# Altium PCB 红外板PCB.PcbDoc
Units mm, origin at the board's own origin, x right, y up, seen from the top; angles counter-clockwise.
Board outline 158.88 x 68.96 mm, 2 copper layers (Top Layer, Bottom Layer); 70 components, 43 nets, 182 pads, 22 vias.
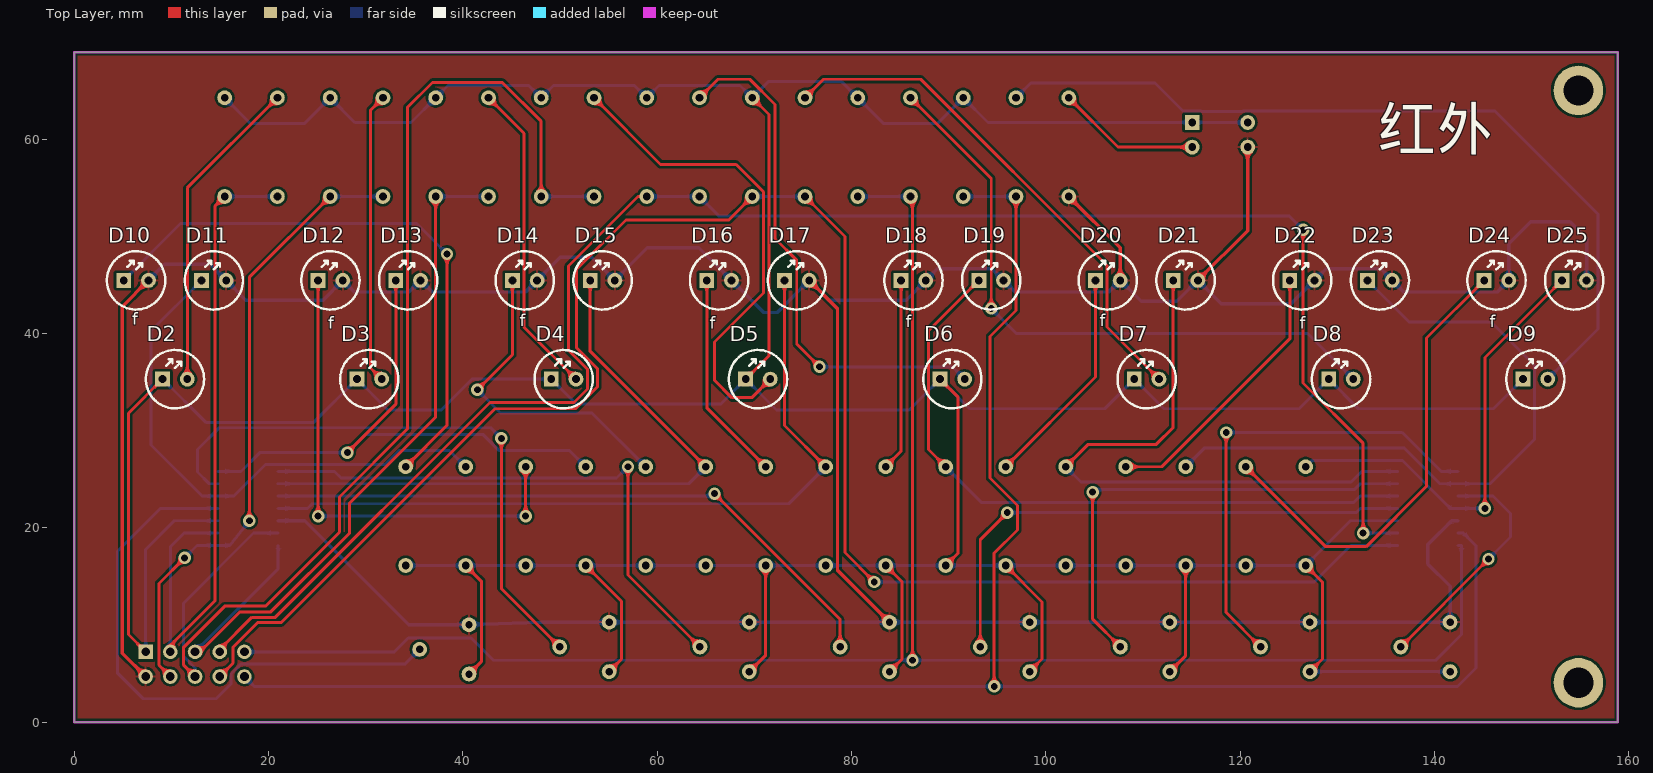
[diagram p0: Top Layer view]
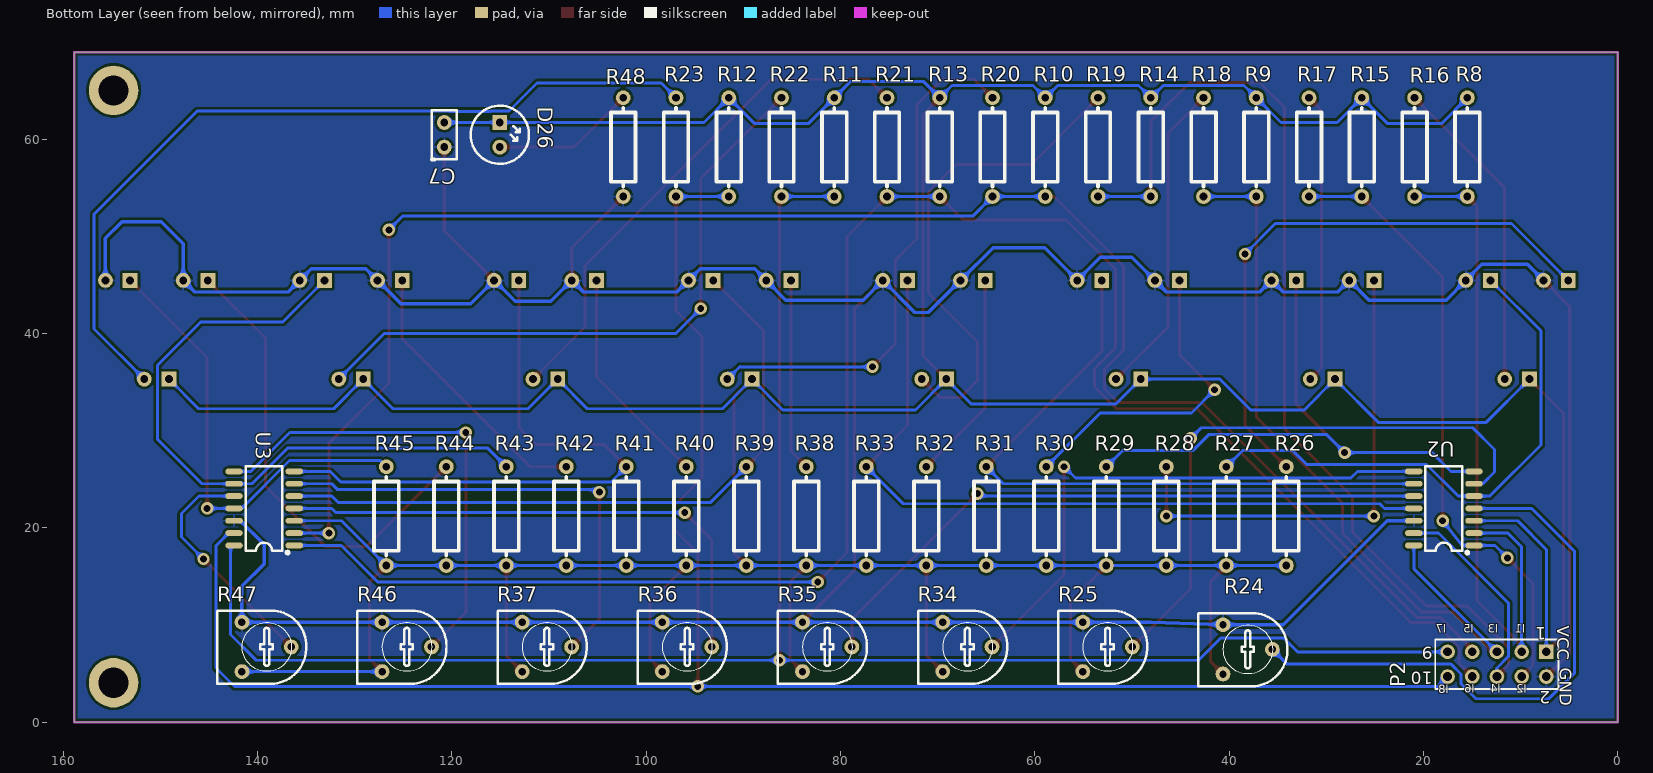
[diagram p1: Bottom Layer view, seen from below]

## Layer stack, top to bottom
Top Solder: solder mask 0.0102, Solder Resist, Dk 3.5
Top Layer: signal copper 0.0356
Dielectric 1: dielectric 0.32, FR-4, Dk 4.8
Bottom Layer: signal copper 0.0356
Bottom Solder: solder mask 0.0102, Solder Resist, Dk 3.5

## Board outline
0,0 158.877,0 158.877,68.961 0,68.961

## Design rules (kind name [scope] priority, off if disabled: settings)
Clearance [All] p1: gap=0.254 ignorepadtopadclearanceinfootprint=FALSE except(0: Arc-Hole Track-Hole SMDPad-Hole THPad-Hole Via-Hole Fill-Hole Poly-Hole Region-Hole Text-Hole)
PolygonConnect [All] p1: connectstyle=Relief reliefconductorwidth=0.254 reliefentries=4 polygonreliefangle="90 Angle" airgapwidth=0.254
RoutingVias [All] p1: holewidth=0.711 width=1.27 viastyle="Through Hole" minholewidth=0.711 minwidth=1.27 maxholewidth=0.711 maxwidth=1.27
SolderMaskExpansion [All] p1: expansion=0.102
Width Width_2 [InNet('GND')] p1: maxlimit=0.508 minlimit=0.356 preferedwidth=0.356 minimp=50.000000 maximp=50.000000 favimp=50.000000
Width Width_1 [All] p2: maxlimit=0.508 minlimit=0.305 preferedwidth=0.305 minimp=50.000000 maximp=50.000000 favimp=50.000000
Width [InNet('VCC')] p3: maxlimit=0.508 minlimit=0.356 preferedwidth=0.356 minimp=50.000000 maximp=50.000000 favimp=50.000000
30 further rules are at their usual default settings.

## Components (designator, comment, footprint, x,y, rotation, side; value= is the part's Value field where it differs from the comment)
C7 "CAP" RAD-0.1 120.777,61.722 r270 bottom
D2 "LED4" LED1 9.111,35.306 r0 top
D3 "LED4" LED1 29.111,35.306 r0 top
D4 "LED4" LED1 49.111,35.306 r0 top
D5 "LED4" LED1 69.111,35.306 r0 top
D6 "LED4" LED1 89.111,35.306 r0 top
D7 "LED4" LED1 109.111,35.306 r0 top
D8 "LED4" LED1 129.111,35.306 r0 top
D9 "LED4" LED1 149.111,35.306 r0 top
D10 "LED4" LED1 5.111,45.466 r0 top
D11 "LED4" LED1 13.111,45.466 r0 top
D12 "LED4" LED1 25.111,45.466 r0 top
D13 "LED4" LED1 33.111,45.466 r0 top
D14 "LED4" LED1 45.111,45.466 r0 top
D15 "LED4" LED1 53.111,45.466 r0 top
D16 "LED4" LED1 65.111,45.466 r0 top
D17 "LED4" LED1 73.111,45.466 r0 top
D18 "LED4" LED1 85.111,45.466 r0 top
D19 "LED4" LED1 93.111,45.466 r0 top
D20 "LED4" LED1 105.111,45.466 r0 top
D21 "LED4" LED1 113.111,45.466 r0 top
D22 "LED4" LED1 125.111,45.466 r0 top
D23 "LED4" LED1 133.111,45.466 r0 top
D24 "LED4" LED1 145.111,45.466 r0 top
D25 "LED4" LED1 153.111,45.466 r0 top
D26 "LED4" LED1 115.062,61.722 r270 bottom
P2 "Header 5X2" HDR2X5 7.366,7.239 r0 bottom
R8 "Res1" AXIAL-0.4 15.494,54.102 r90 bottom value=10k
R9 "Res1" AXIAL-0.4 37.211,54.102 r90 bottom value=10k
R10 "Res1" AXIAL-0.4 58.928,54.102 r90 bottom value=10k
R11 "Res1" AXIAL-0.4 80.645,54.102 r90 bottom value=10k
R12 "Res1" AXIAL-0.4 91.503,54.102 r90 bottom value=10k
R13 "Res1" AXIAL-0.4 69.786,54.102 r90 bottom value=10k
R14 "Res1" AXIAL-0.4 48.069,54.102 r90 bottom value=10k
R15 "Res1" AXIAL-0.4 26.352,54.102 r90 bottom value=10k
R16 "Res1" AXIAL-0.4 20.923,54.102 r90 bottom
R17 "Res1" AXIAL-0.4 31.782,54.102 r90 bottom value=1k
R18 "Res1" AXIAL-0.4 42.64,54.102 r90 bottom value=1k
R19 "Res1" AXIAL-0.4 53.499,54.102 r90 bottom value=1k
R20 "Res1" AXIAL-0.4 64.357,54.102 r90 bottom value=1k
R21 "Res1" AXIAL-0.4 75.216,54.102 r90 bottom value=1k
R22 "Res1" AXIAL-0.4 86.074,54.102 r90 bottom value=1k
R23 "Res1" AXIAL-0.4 96.933,54.102 r90 bottom value=1k
R24 "RP2" "POT SMALL" 35.56,7.493 r180 bottom
R25 "RP2" "POT SMALL" 49.984,7.747 r180 bottom
R26 "Res1" AXIAL-0.4 34.121,16.129 r90 bottom value=1k
R27 "Res1" AXIAL-0.4 40.296,16.129 r90 bottom value=1k
R28 "Res1" AXIAL-0.4 46.471,16.129 r90 bottom value=1k
R29 "Res1" AXIAL-0.4 52.646,16.129 r90 bottom value=1k
R30 "Res1" AXIAL-0.4 58.821,16.129 r90 bottom value=1k
R31 "Res1" AXIAL-0.4 64.996,16.129 r90 bottom value=1k
R32 "Res1" AXIAL-0.4 71.171,16.129 r90 bottom value=1k
R33 "Res1" AXIAL-0.4 77.346,16.129 r90 bottom value=1k
R34 "RP2" "POT SMALL" 64.407,7.747 r180 bottom
R35 "RP2" "POT SMALL" 78.831,7.747 r180 bottom
R36 "RP2" "POT SMALL" 93.254,7.747 r180 bottom
R37 "RP2" "POT SMALL" 107.678,7.747 r180 bottom
R38 "Res1" AXIAL-0.4 83.521,16.129 r90 bottom value=1k
R39 "Res1" AXIAL-0.4 89.696,16.129 r90 bottom value=1k
R40 "Res1" AXIAL-0.4 95.871,16.129 r90 bottom value=1k
R41 "Res1" AXIAL-0.4 102.046,16.129 r90 bottom value=1k
R42 "Res1" AXIAL-0.4 108.221,16.129 r90 bottom value=1k
R43 "Res1" AXIAL-0.4 114.396,16.129 r90 bottom value=1k
R44 "Res1" AXIAL-0.4 120.571,16.129 r90 bottom value=1k
R45 "Res1" AXIAL-0.4 126.746,16.129 r90 bottom
R46 "RP2" "POT SMALL" 122.101,7.747 r180 bottom
R47 "RP2" "POT SMALL" 136.525,7.747 r180 bottom
R48 "Res1" AXIAL-0.4 102.362,64.262 r270 bottom value=1k
U2 "LM339" "SOIC-14_150MIL - duplicate" 17.907,22 r90 bottom
U3 "LM339" "SOIC-14_150MIL - duplicate" 139.319,22 r90 bottom

## Footprints (in the part's own frame and the unit in brackets; to place one, negate y for a bottom-side part, rotate by r counter-clockwise, add the part's x,y. Pads: shape width x height; smd on the part's side, far side on the other; paste and mask are expansions set on the pad)
AXIAL-0.4 [mil]
  round 60 hole 31.5: 1(0,0) 2(400,0)
  silkscreen extent 40,-50 360,50
HDR2X5 [mm] "Connector; Header; 5x2 Position"
  rect 1.5x1.5 hole 0.9: 1(0,0)
  round 1.5 hole 0.9: 2(0,2.54) 3(2.54,0) 4(2.54,2.54) 5(5.08,0) 6(5.08,2.54) 7(7.62,0) 8(7.62,2.54) 9(10.16,0) 10(10.16,2.54)
  silkscreen extent -1.27,-1.27 11.43,3.81, body extent -1.27,-1.27 11.43,3.81, height 8.54
LED1 [mil]
  rect 60x60 hole 31.5: 1(0,0)
  round 60 hole 31.5: 2(100,0)
  silkscreen extent -68,-118 168,118
"POT SMALL" [mil]
  round 60 hole 30: 1(0,0) 2(-200,-100) 3(-200,100)
  silkscreen extent -300,-150 61,147, body extent -311,-150 65,150, height 315
RAD-0.1 [mil]
  round 60 hole 31.5: 1(0,0) 2(100,0)
  silkscreen extent -50,-50 150,50
"SOIC-14_150MIL - duplicate" [mm]
  oval 0.6x1.8 smd: 1(-3.81,-3.099) 2(-2.54,-3.099) 3(-1.27,-3.099) 4(0,-3.099) 5(1.27,-3.099) 6(2.54,-3.099) 7(3.81,-3.099) 8(3.81,3.099) 9(2.54,3.099) 10(1.27,3.099) 11(0,3.099) 12(-1.27,3.099) 13(-2.54,3.099) 14(-3.81,3.099)
  silkscreen extent -4.7,-2.56 4.34,1.91

## Part data
C7: "无极性"
D2 D3 D4 D5 D6 D7 D8 D9 D10 D11 D12 D13 D14 D15 D16 D17 D18 D19 D20 D21 D22 D23 D24 D25 D26: "0603"
P2: "Header, 5-Pin, Dual row", LatestRevisionDate=17-Jul-2002, LatestRevisionNote="Re-released for DXP Platform.", Publisher="Altium Limited"
R8 R9 R10 R11 R12 R13 R14 R15 R16 R17 R18 R19 R20 R21 R22 R23 R26 R27 R28 R29 R30 R31 R32 R33 R38 R39 R40 R41 R42 R43 R44 R45 R48: "Resistor"
  R8 R9 R10 R11 R12 R13 R14 R15 R17 R18 R19 R20 R21 R22 R23 R26 R27 R28 R29 R30 R31 R32 R33 R38 R39 R40 R41 R42 R43 R44 R48: LatestRevisionDate=17-Jul-2002, LatestRevisionNote="Re-released for DXP Platform.", PackageDescription="Axial Device, Thru-Hole; 2 Leads; 0.3 in Pin Spacing", PackageReference=AXIAL-0.3, Published=8-Jun-2000, Publisher="Altium Limited"
R24 R25 R34 R35 R36 R37 R46 R47: library part "RPot SM", "Square Trimming Potentiometer"
  R25 R34 R35 R36 R37 R46: ComponentLink1Description="Manufacturer Link", ComponentLink1URL=http://bourns.com/2/search.html, DatasheetVersion=Oct-2003, PackageDescription="Square Trimming Potentiometer", PackageReference=POT4MM-2, Published=17-Dec-2003, Publisher="Altium Limited"

## Free pads (board coordinates)
  round 5.1 hole 3.1: 2(154.813,65.024) 3(154.813,4.064)

## Via types
v1: diameter 1.27, hole 0.711, Top Layer to Bottom Layer, 22 vias

## Nets (pads, with @x,y where several pads share a name; then routed paths per layer and width w, separated by ;. In a path a pad name is that pad's centre, name@x,y a point inside that pad or via, vN(x,y) a via of type N, cw(c..) or ccw(c..) an arc to the next point about the centre after c; other vN are vias at no path point)
GND: C7.2 D10.2 D11.2 D12.2 D13.2 D14.2 D15.2 D16.2 D17.2 D18.2 D19.2 D20.2 D21.2 D22.2 D23.2 D24.2 D25.2 P2.2 R24.3 R25.3 R34.3 R35.3 R36.3 R37.3 R46.3 R47.3 R48.2 U2.12 U3.12 | length 425.9
  Top Layer w0.356: P2.2 4.953,7.112 4.953,42.768 D10.2 ; D17.2 78.562,42.555 78.562,15.636 R35.3 ; R48.2 107.651,48.813 D20.2 ; D21.2 120.777,50.592 C7.2
  Bottom Layer w0.356: D10.2 9.302,47.117 14,47.117 D11.2 17.683,43.434 25.619,43.434 D12.2 28.845,44.272 34.457,44.272 D13.2 36.845,44.272 46.457,44.272 D14.2 50.014,47.829 53.288,47.829 D15.2 59.004,48.819 64.298,48.819 D16.2 70.953,42.164 72.349,42.164 D17.2 77.683,43.434 85.619,43.434 D18.2 88.845,46.66 94.457,46.66 D19.2 96.845,44.272 106.457,44.272 D20.2 109.81,43.307 113.492,43.307 D21.2 118.064,43.053 125.238,43.053 D22.2 128.845,46.66 134.457,46.66 D23.2 136.845,44.272 146.457,44.272 D24.2 147.651,49.226 149.912,51.487 153.948,51.487 155.651,49.784 D25.2 ; U2.12 23.724,20.73 34.421,10.033 R24.3 48.082,10.287 R25.3 R34.3 R35.3 R36.3 R37.3 R46.3 R47.3 141.605,13.995 139.319,16.281 139.319,18.288 141.761,20.73 U3.12
IN1+: D11.1 R27.2 U2.5 | length 56.3
  Bottom Layer w0.305: D11.1 7.925,40.28 7.925,28.524 13.179,23.27 U2.5 16.437,23.27 19.685,26.518 32.029,26.518 33.452,27.94 38.645,27.94 R27.2
IN1-: R24.1 U2.4 | length 59.6
  Bottom Layer w0.305: U2.4 8.868,22 4.445,17.577 4.445,5.08 7.112,2.413 14.605,2.413 16.142,3.95 16.142,4.951 17.161,5.969 34.036,5.969 R24.1
IN2+: D13.1 R29.2 U2.7 | length 60.6
  Top Layer w0.305: v1(28.118,27.737) 33.111,32.73 D13.1
  Bottom Layer w0.305: U2.7 17.174,25.81 19.101,27.737 v1(28.118,27.737) 29.972,29.591 42.114,29.591 43.765,27.94 50.995,27.94 R29.2
IN2-: R25.1 U2.6 | length 61.5
  Top Layer w0.305: v1(43.967,29.21) 43.967,13.763 R25.1
  Bottom Layer w0.305: U2.6 13.906,24.54 12.7,25.747 12.7,28.067 14.935,30.302 42.875,30.302 v1(43.967,29.21)
IN3+: D15.1 R31.2 U2.9 | length 68.8
  Top Layer w0.305: D15.1 53.111,38.174 R31.2
  Bottom Layer w0.305: U2.9 63.247,24.54 R31.2
IN3-: R34.1 U2.8 | length 58.4
  Top Layer w0.305: v1(56.998,26.289) 56.998,15.157 R34.1
  Bottom Layer w0.305: U2.8 26.802,25.81 27.492,25.121 55.829,25.121 v1(56.998,26.289)
IN4+: D17.1 R33.2 U2.11 | length 79
  Top Layer w0.305: D17.1 73.111,30.524 R33.2
  Bottom Layer w0.305: U2.11 24.032,22 24.511,22.479 73.536,22.479 R33.2
IN4-: R35.1 U2.10 | length 66.1
  Top Layer w0.305: v1(65.913,23.52) 78.831,10.603 R35.1
  Bottom Layer w0.305: U2.10 65.663,23.27 v1(65.913,23.52)
IN5+: D19.1 R39.2 U3.5 | length 70.4
  Top Layer w0.305: R39.2 87.935,28.05 87.935,40.29 D19.1
  Bottom Layer w0.305: R39.2 93.353,22.631 131.724,22.631 132.363,23.27 U3.5
IN5-: R36.1 U3.4 | length 55.3
  Top Layer w0.305: R36.1 93.254,18.781 v1(96.037,21.565)
  Bottom Layer w0.305: v1(96.037,21.565) 131.928,21.565 132.363,22 U3.4
IN6+: D21.1 R41.2 U3.7 | length 63.1
  Top Layer w0.305: R41.2 104.357,28.6 111.379,28.6 113.111,30.332 D21.1
  Bottom Layer w0.305: R41.2 103.61,24.725 131.43,24.725 132.515,25.81 U3.7
IN6-: R37.1 U3.6 | length 48.9
  Top Layer w0.305: v1(104.826,23.673) 104.826,10.599 R37.1
  Bottom Layer w0.305: v1(104.826,23.673) 105.08,23.927 131.75,23.927 132.363,24.54 U3.6
IN7+: D23.1 R43.2 U3.9 | length 68.5
  Bottom Layer w0.305: R43.2 116.301,28.194 136.906,28.194 140.56,24.54 U3.9 145.723,24.54 150.292,29.108 150.292,36.728 145.821,41.199 137.378,41.199 D23.1
IN7-: R46.1 U3.8 | length 49
  Top Layer w0.305: v1(118.567,29.82) 118.567,11.281 R46.1
  Bottom Layer w0.305: v1(118.567,29.82) 136.677,29.82 140.687,25.81 U3.8
IN8+: D25.1 R45.2 U3.11 | length 47.5
  Top Layer w0.305: v1(145.186,22) 145.186,37.541 D25.1
  Bottom Layer w0.305: R45.2 127.381,26.924 136.705,26.924 141.629,22 U3.11 v1(145.186,22)
IN8-: R47.1 U3.10 | length 24.6
  Top Layer w0.305: R47.1 v1(145.567,16.789)
  Bottom Layer w0.305: U3.10 146.026,23.27 147.828,21.468 147.828,19.05 v1(145.567,16.789)
NetD2_2: D2.2 R16.2 | length 32.8
  Top Layer w0.305: D2.2 11.651,54.99 R16.2
NetD3_2: D3.2 R17.2 | length 30
  Top Layer w0.305: D3.2 30.505,36.452 30.505,62.986 R17.2
NetD4_2: D4.2 R18.2 | length 32.7
  Top Layer w0.305: R18.2 46.304,60.598 46.304,40.653 D4.2
NetD5_2: D5.2 R19.2 | length 50.2
  Top Layer w0.305: R19.2 60.357,57.404 68.137,57.404 70.955,54.586 70.955,44.158 65.913,39.116 65.913,35.179 67.691,33.401 69.746,33.401 D5.2
NetD6_2: D6.2 R20.2 | length 54
  Top Layer w0.305: R20.2 66.262,66.167 69.534,66.167 72.136,63.565 72.136,49.784 74.371,47.549 74.371,38.913 v1(76.708,36.576)
  Bottom Layer w0.305: v1(76.708,36.576) 90.33,36.576 90.356,36.601 D6.2
NetD7_2: D7.2 R21.2 | length 53.7
  Top Layer w0.305: R21.2 77.121,66.167 87.122,66.167 106.299,46.99 106.299,40.658 D7.2
NetD8_2: D8.2 R22.2 | length 65.4
  Top Layer w0.305: R22.2 94.386,55.95 v1(94.386,42.57)
  Bottom Layer w0.305: v1(94.386,42.57) 96.977,39.98 126.977,39.98 D8.2
NetD9_2: D9.2 R23.2 | length 85.2
  Bottom Layer w0.305: R23.2 98.457,65.786 111.236,65.786 114.132,62.89 115.992,62.89 116.018,62.865 120.268,62.865 120.293,62.89 146.202,62.89 156.82,52.273 156.82,40.475 D9.2
NetD10_1: D10.1 R26.2 | length 60.6
  Top Layer w0.305: R26.2 38.379,30.548 v1(38.379,48.184)
  Bottom Layer w0.305: D10.1 10.953,51.308 35.255,51.308 v1(38.379,48.184)
NetD12_1: D12.1 R28.2 | length 50.7
  Top Layer w0.305: v1(25.111,21.209) D12.1 ; v1(46.471,21.209) R28.2
  Bottom Layer w0.305: v1(25.111,21.209) v1(46.471,21.209)
NetD14_1: D14.1 R30.2 | length 33.3
  Top Layer w0.305: v1(41.504,34.214) 45.111,37.821 D14.1
  Bottom Layer w0.305: v1(41.504,34.214) 43.891,31.826 53.284,31.826 R30.2
NetD16_1: D16.1 R32.2 | length 21.7
  Top Layer w0.305: D16.1 65.111,32.349 R32.2
NetD18_1: D18.1 R38.2 | length 19.8
  Top Layer w0.305: R38.2 85.111,27.879 D18.1
NetD20_1: D20.1 R40.2 | length 23
  Top Layer w0.305: R40.2 105.111,35.529 D20.1
NetD22_1: D22.1 R42.2 | length 28.4
  Top Layer w0.305: R42.2 111.938,26.289 125.111,39.462 D22.1
NetD24_1: D24.1 R44.2 | length 48.2
  Top Layer w0.305: R44.2 128.801,18.059 132.969,18.059 139.192,24.282 139.192,39.547 D24.1
NetD26_2: D26.2 R48.1 | length 14.8
  Top Layer w0.305: R48.1 107.442,59.182 D26.2
OUT1: P2.3 R8.1 R16.1 U2.2 | length 70.9
  Top Layer w0.305: P2.3 9.906,7.887 14.478,12.459 14.478,53.086 R8.1
  Bottom Layer w0.305: P2.3 9.906,18.034 11.332,19.46 U2.2 ; R8.1 R16.1
OUT2: P2.4 R15.1 R17.1 U2.1 | length 64.4
  Top Layer w0.305: P2.4 8.738,5.867 8.738,14.275 v1(11.379,16.916) ; v1(18.034,20.726) 18.034,45.783 R15.1
  Bottom Layer w0.305: v1(11.379,16.916) 12.653,18.19 U2.1 16.002,18.19 v1(18.034,20.726) ; R15.1 R17.1
OUT3: P2.5 R9.1 R18.1 U2.14 | length 79.2
  Top Layer w0.305: P2.5 12.954,7.239 17.069,11.354 20.244,11.354 28.321,19.431 28.321,22.504 37.211,31.394 R9.1
  Bottom Layer w0.305: P2.5 21.006,15.799 U2.14 ; R9.1 R18.1
OUT4: P2.6 R14.1 R19.1 U2.13 | length 121.5
  Top Layer w0.305: P2.6 11.278,5.867 11.278,7.722 15.494,11.938 19.685,11.938 27.305,19.558 27.305,23.179 34.29,30.164 34.29,63.246 36.881,65.837 44.069,65.837 48.069,61.836 R14.1
  Bottom Layer w0.305: P2.6 12.446,5.589 11.278,6.758 11.278,12.276 18.462,19.46 U2.13 ; R14.1 R19.1
OUT5: P2.7 R10.1 R20.1 U3.2 | length 180
  Top Layer w0.305: P2.7 14.986,7.493 18.288,10.795 20.701,10.795 42.799,32.893 51.445,32.893 52.832,34.28 52.832,36.322 50.876,38.278 50.876,46.939 58.039,54.102 R10.1 ; v1(126.483,50.664) 126.483,34.916 126.467,34.9 132.664,28.702 v1(132.664,19.46)
  Bottom Layer w0.305: R10.1 R20.1 66.389,52.07 125.076,52.07 v1(126.483,50.664) ; v1(132.664,19.46) U3.2
OUT6: P2.8 R13.1 R21.1 U3.1 | length 189.8
  Top Layer w0.305: P2.8 16.358,6.071 16.358,7.722 18.872,10.236 21.285,10.236 43.307,32.258 51.6,32.258 53.848,34.506 53.848,36.398 51.689,38.557 51.689,46.584 56.794,51.689 67.373,51.689 R13.1 ; R21.1 79.324,49.994 79.324,17.45 v1(82.347,14.427)
  Bottom Layer w0.305: R13.1 R21.1 ; v1(82.347,14.427) 127.631,14.427 131.394,18.19 U3.1
OUT7: P2.9 R11.1 R22.1 U3.14 | length 190.6
  Top Layer w0.305: R22.1 86.284,53.892 v1(86.284,6.375)
  Bottom Layer w0.305: P2.9 32.969,7.239 34.392,8.661 40.869,8.661 43.155,6.375 v1(86.284,6.375) 140.132,6.375 142.773,9.017 142.773,18.19 U3.14 ; R11.1 R22.1
OUT8: P2.10 R12.1 R23.1 U3.13 | length 202
  Top Layer w0.305: v1(94.691,3.683) 94.691,17.399 97.079,19.787 97.079,22.301 94.259,25.121 94.259,39.704 96.933,42.377 R23.1
  Bottom Layer w0.305: P2.10 18.542,3.683 v1(94.691,3.683) 142.367,3.683 144.272,5.588 144.272,18.161 142.973,19.46 U3.13 ; R12.1 R23.1
VCC: C7.1 D2.1 D3.1 D4.1 D5.1 D6.1 D7.1 D8.1 D9.1 D26.1 P2.1 R8.2 R9.2 R10.2 R11.2 R12.2 R13.2 R14.2 R15.2 R24.2 R25.2 R26.1 R27.1 R28.1 R29.1 R30.1 R31.1 R32.1 R33.1 R34.2 R35.2 R36.2 R37.2 R38.1 R39.1 R40.1 R41.1 R42.1 R43.1 R44.1 R45.1 R46.2 R47.2 U2.3 U3.3 | length 580.9
  Top Layer w0.305: P2.1 5.588,9.017 5.588,31.783 D2.1 ; R27.1 41.91,14.515 41.91,6.223 R24.2 ; R29.1 56.337,12.438 56.337,6.481 R25.2 ; D5.1 71.514,37.709 71.514,62.535 R13.2 ; R34.2 71.171,6.891 R32.1 ; R38.1 85.192,14.458 85.192,6.488 R35.2 ; D6.1 90.983,33.434 90.983,17.416 R39.1 ; R40.1 99.619,12.381 99.619,6.492 R36.2 ; R37.2 114.396,6.845 R43.1 ; R45.1 128.473,14.402 128.473,6.499 R46.2
  Bottom Layer w0.305: P2.1 7.366,17.78 10.316,20.73 U2.3 ; D2.1 13.556,30.861 24.666,30.861 D3.1 32.286,32.131 37.795,32.131 40.97,35.306 D4.1 51.651,32.766 66.571,32.766 D5.1 72.286,32.131 85.936,32.131 D6.1 92.159,32.258 106.063,32.258 D7.1 112.159,32.258 126.063,32.258 D8.1 132.159,32.258 146.063,32.258 D9.1 ; R8.2 18.161,61.595 23.685,61.595 R15.2 28.892,61.722 34.671,61.722 R9.2 38.481,65.532 46.799,65.532 R14.2 49.34,65.532 57.658,65.532 R10.2 60.198,65.532 68.516,65.532 R13.2 71.438,65.913 78.994,65.913 R11.2 83.312,61.595 88.837,61.595 R12.2 94.043,61.722 D26.1 C7.1 ; R26.1 R27.1 R28.1 R29.1 R30.1 R31.1 R32.1 R33.1 R38.1 R39.1 R40.1 R41.1 R42.1 R43.1 R44.1 R45.1 131.347,20.73 U3.3 ; R46.2 R47.2

## Polygon pours and split planes (outlines as drawn)
GND on Bottom Layer "Bottom Layer-No Net" (solid, remove dead copper, pour order 24): 158.877,0 158.877,68.961 0,68.961 0,0
GND on Top Layer "Top Layer-No Net" (solid, remove dead copper, pour order 26): 0,0 158.877,0 158.877,68.961 0,68.961

## Keep-outs
Keep-Out Layer:
  the board outline again, w0.254

## Silkscreen, mask and mechanical layers (free items; w line width, h text height)
Top Overlay:
  text "红外" at 134.112,57.404 h7.62
  text "f" at 5.969,40.894 h1.22
  text "f" at 45.847,40.767 h1.22
  text "f" at 105.537,40.767 h1.22
  text "f" at 85.598,40.64 h1.22
  text "f" at 145.669,40.64 h1.22
  text "f" at 26.162,40.513 h1.22
  text "f" at 65.405,40.513 h1.22
  text "f" at 126.111,40.513 h1.22
Bottom Overlay:
  text "VCC" at 6.223,9.906 h1.22 r90
  text "l1" at 9.525,8.89 h1.5
  text "l3" at 12.319,8.89 h1.5
  text "l5" at 14.859,8.89 h1.5
  text "l7" at 17.653,8.89 h1.5
  text "GND" at 5.969,5.588 h1.22 r90
  text "l6" at 14.732,2.742 h1.5
  text "l2" at 9.398,2.71 h1.5
  text "l4" at 12.065,2.718 h1.5
  text "l8" at 17.399,2.667 h1.5

## Dimensions
0,68.961 to 158.877,68.961 on Mechanical 1
0,68.961 to 0,0 on Mechanical 1

## Text inside footprints (layer, text, board x,y; h text height)
P2: Bottom Overlay "2" at 6.985,3.175 h1.27 r180; Bottom Overlay "1" at 7.366,9.779 h1.27 r180; Bottom Overlay "9" at 19.05,7.747 h1.27 r180; Bottom Overlay "10" at 19.05,5.207 h1.27 r180